# Altium PCB PCB6.PcbDoc (part 1 of 2)
Units mm, origin at the board's own origin, x right, y up, seen from the top; angles counter-clockwise.
Board outline 80 x 125 mm, 4 copper layers (Top Layer, Ground, Power, Bottom Layer), stack 0.603 mm thick; 118 components, 92 nets, 471 pads, 436 vias.
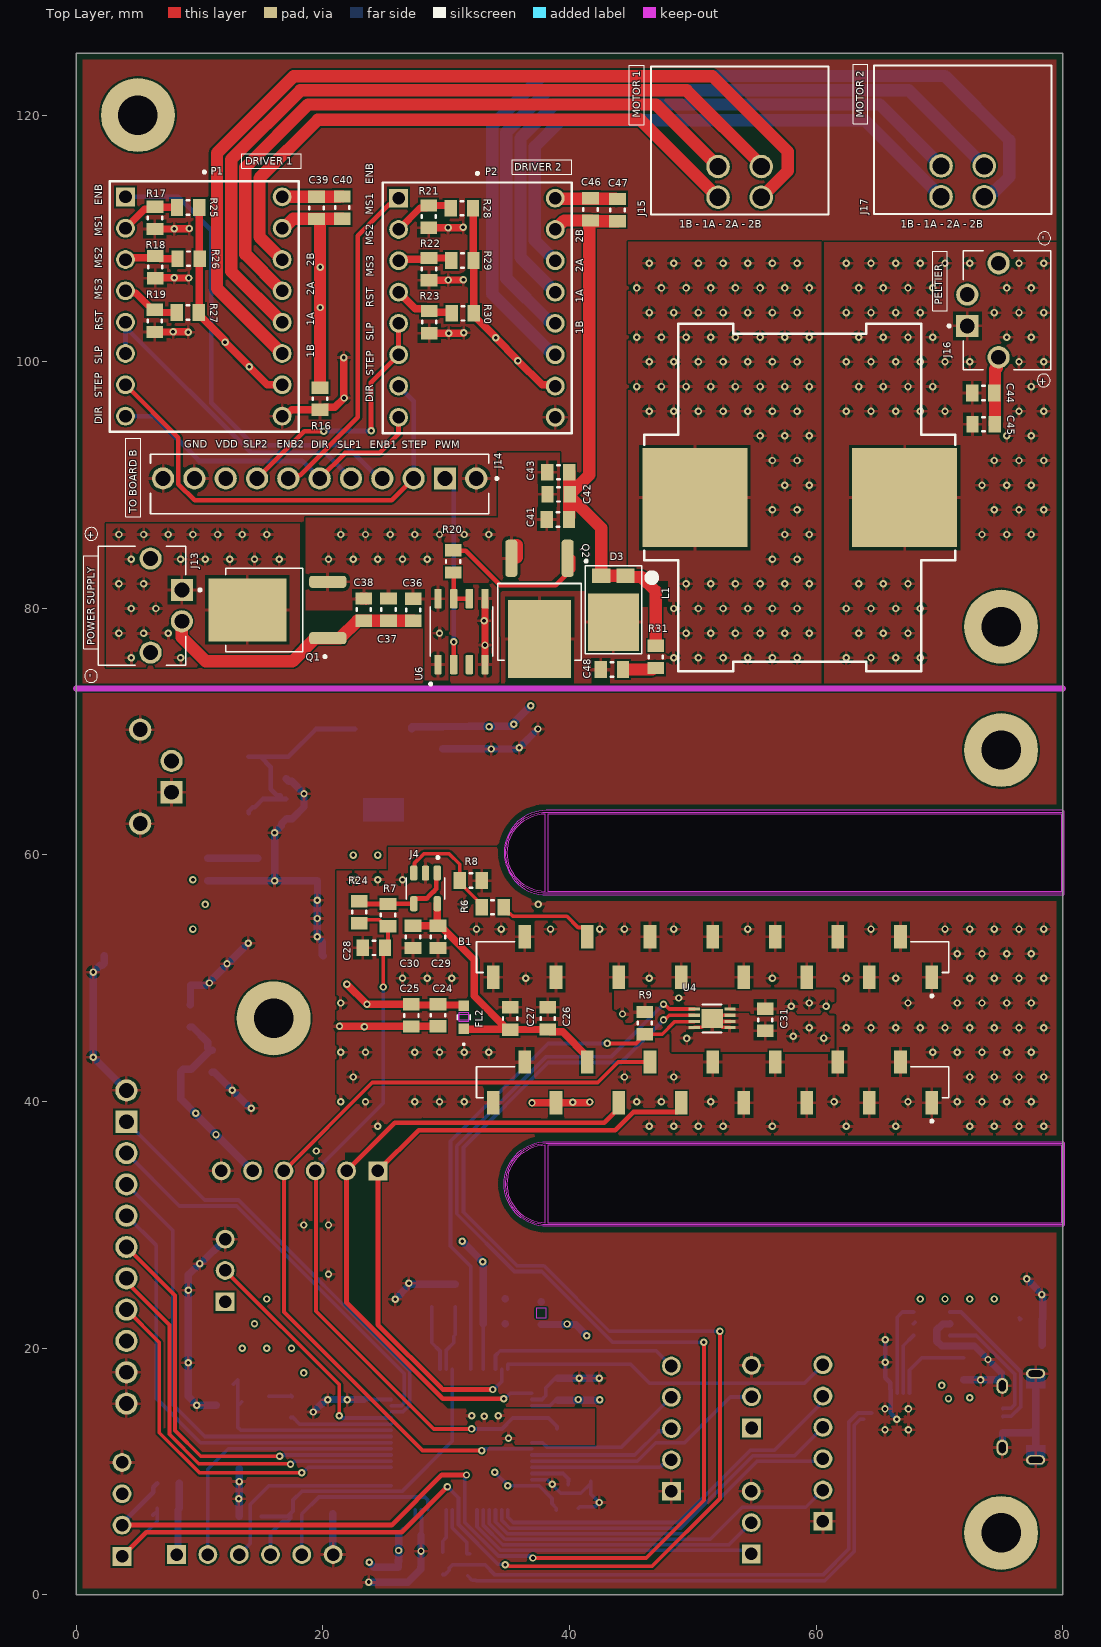
[diagram p0: Top Layer view]
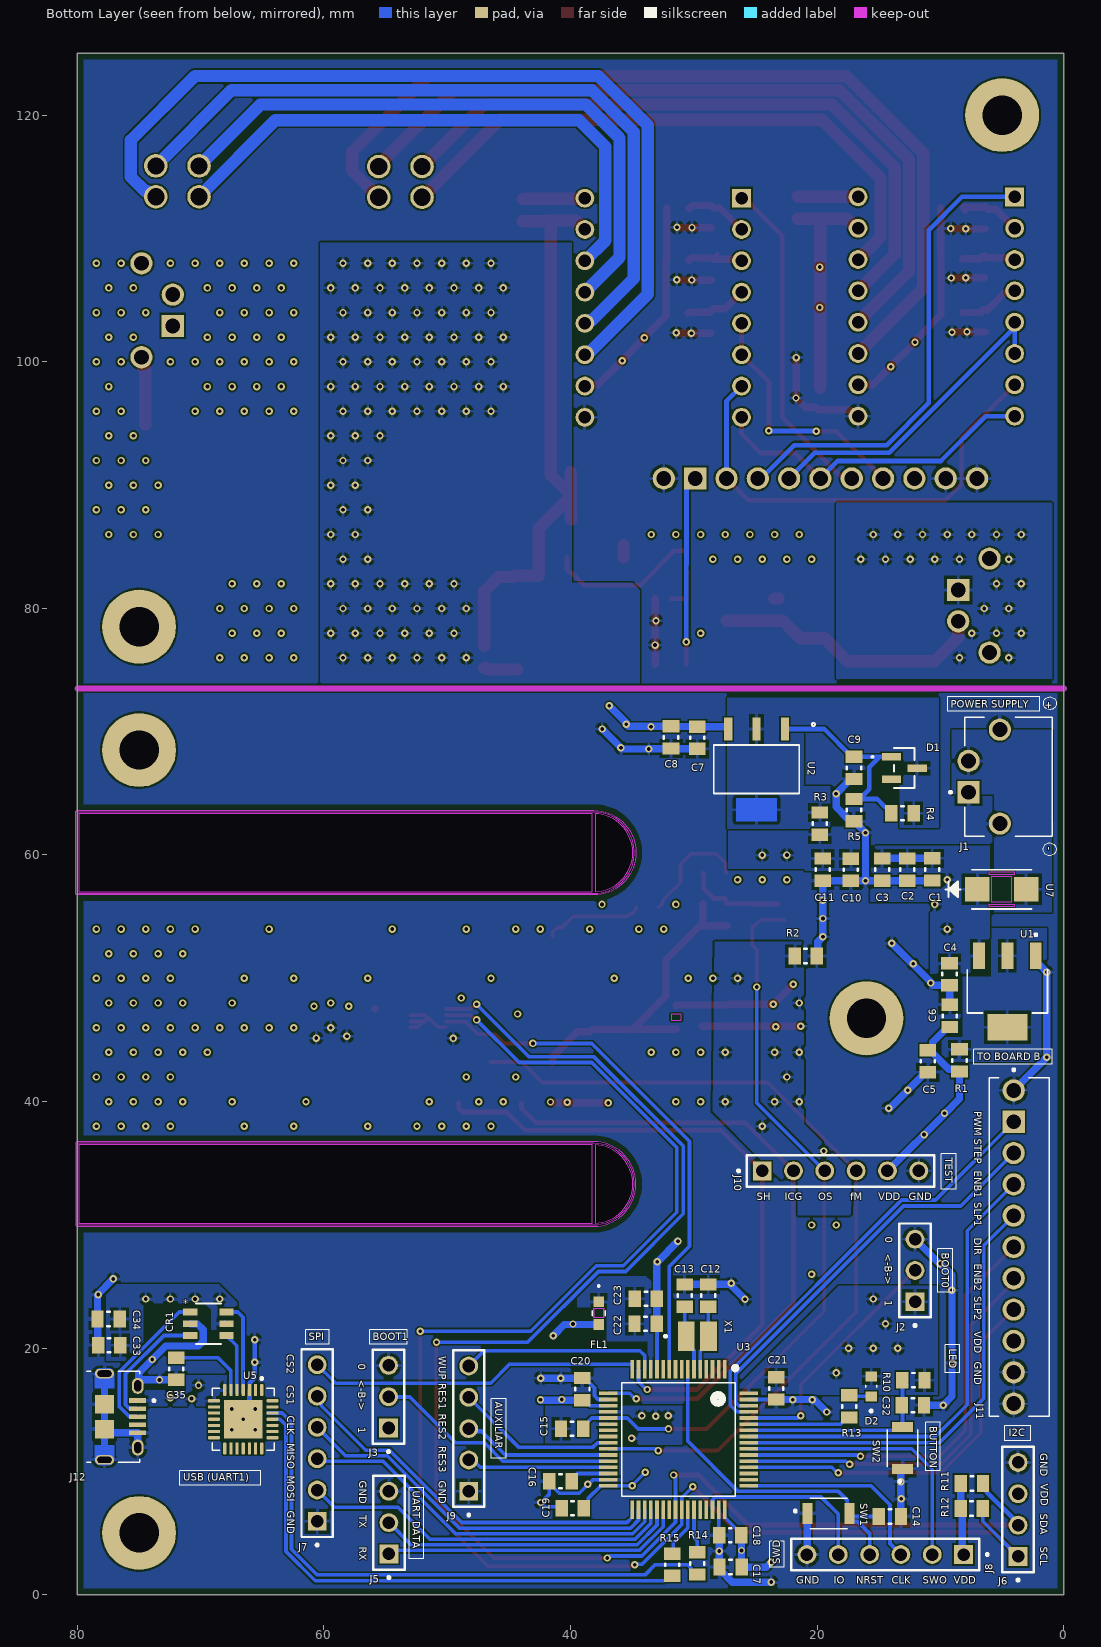
[diagram p1: Bottom Layer view, seen from below]
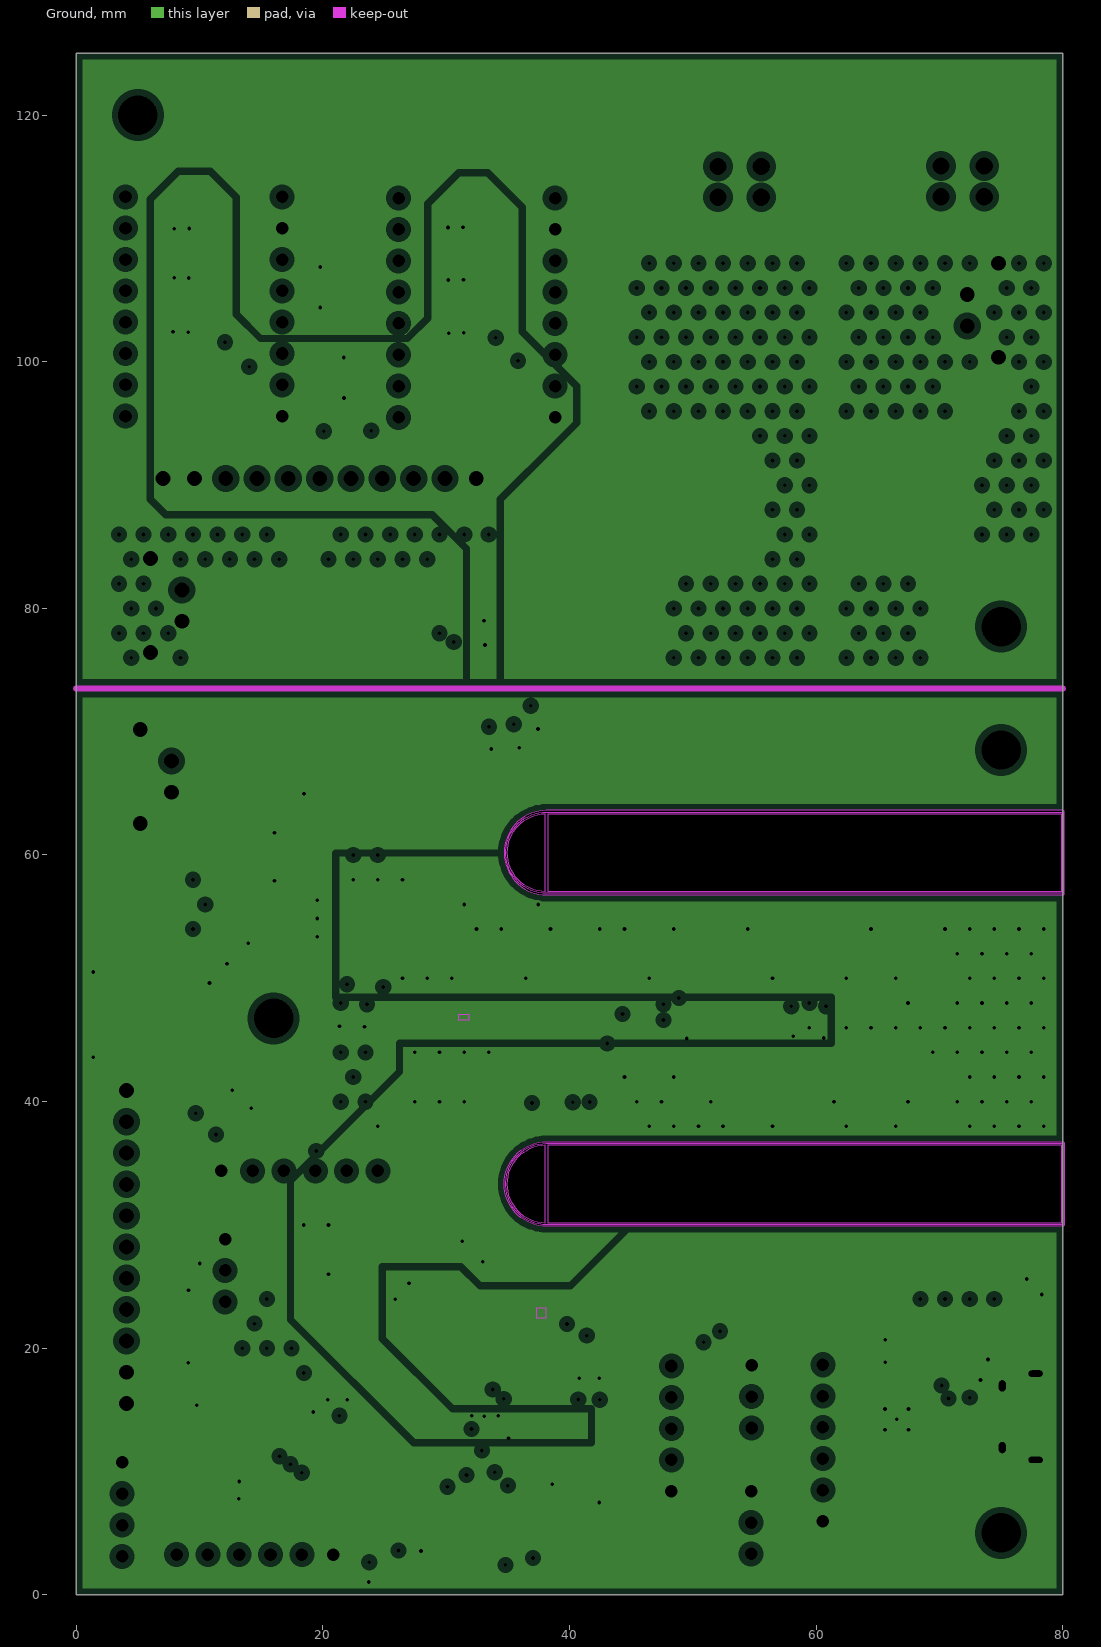
[diagram p2: Ground, clearances drawn from the general rule]
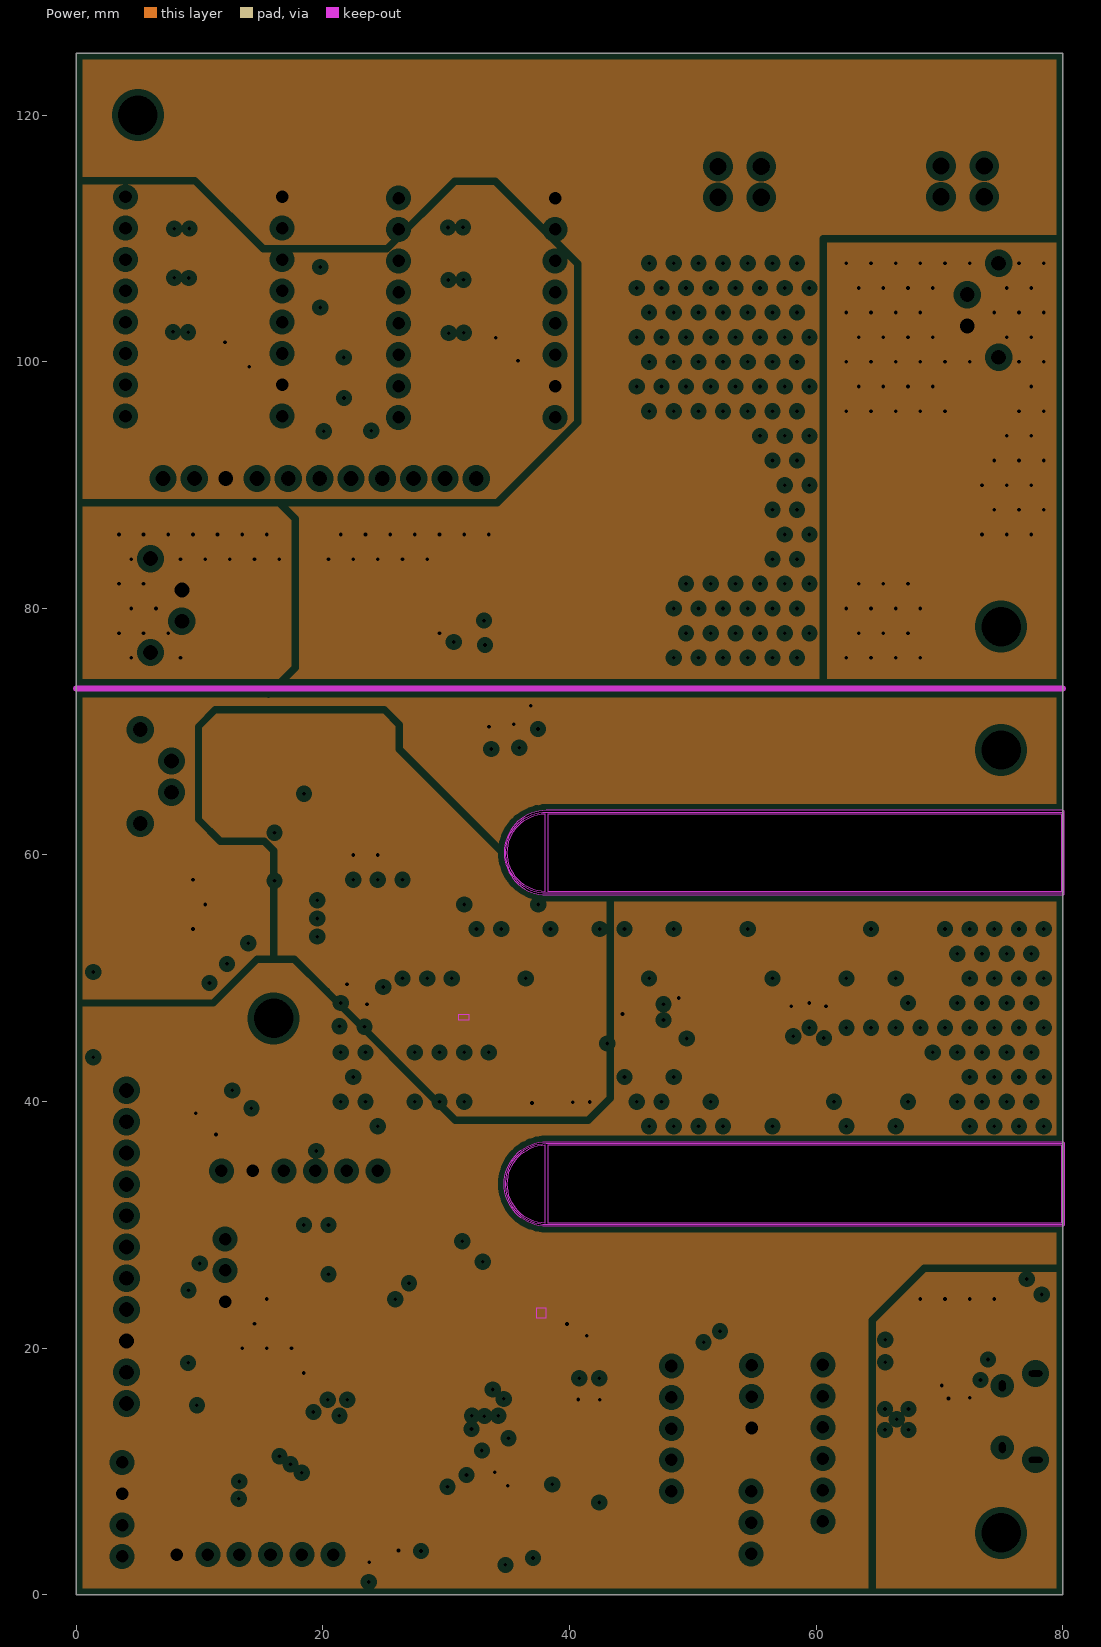
[diagram p3: Power, clearances drawn from the general rule]

## Layer stack, top to bottom
Top Solder: solder mask 0.0102, Solder Resist, Dk 3.5
Top Layer: signal copper 0.0356
Dielectric 2: prepreg 0.0711, PP-006, Dk 4.1
Ground: plane copper 0.035, net (Multiple Nets)
Dielectric 1: dielectric 0.32, FR-4, Dk 4.8
Power: plane copper 0.035, net (Multiple Nets)
Dielectric 3: prepreg 0.0711, PP-006, Dk 4.1
Bottom Layer: signal copper 0.0356
Bottom Solder: solder mask 0.0102, Solder Resist, Dk 3.5

## Board outline
0,0 0,125 80,125 80,0
cut-out: 38.13,29.873 cw(c38.13,33.3) 38.13,36.727 80,36.727 cw(c80,36.6) 80.127,36.6 80.127,30 cw(c80,30) 80,29.873
cut-out: 38.003,30.13 cw(c38.13,33.3) 38.003,36.47
cut-out: 38.13,30 cw(c38.13,33.3) 38.13,36.6 80,36.6 80,30
cut-out: 38.003,57 cw(c38.13,60.17) 38.003,63.34
cut-out: 38.13,56.743 80,56.743 ccw(c80,56.87) 80.127,56.87 80.127,63.47 ccw(c80,63.47) 80,63.597 38.13,63.597 ccw(c38.13,60.17)
cut-out: 38.13,56.87 cw(c38.13,60.17) 38.13,63.47 80,63.47 80,56.87
cut-out: 79.873,30.127 38.257,30.127 38.257,36.473 79.873,36.473
cut-out: 79.873,56.997 38.257,56.997 38.257,63.343 79.873,63.343

## Design rules (kind name [scope] priority, off if disabled: settings)
BoardOutlineClearance [All] p1: gap=0.5 ignorepadtopadclearanceinfootprint=FALSE
Clearance Clearance_Jumper [InComponent('SB*')] p1: gap=0 ignorepadtopadclearanceinfootprint=TRUE
Clearance Clearanse_Temp_Sensor [InComponent('U4')] p2: gap=0.1 ignorepadtopadclearanceinfootprint=FALSE
Clearance Clearance_bridges [All vs InComponent('SB4_MD1') OR InComponent('SB5_MD1') OR InComponent('SB6_MD1') OR InComponent('SB4_MD2') OR InComponent('SB5_MD2') OR InComponent('SB6_MD2')] p3: gap=0.05 ignorepadtopadclearanceinfootprint=FALSE
Clearance [All] p4: gap=0.15 ignorepadtopadclearanceinfootprint=FALSE
PlaneClearance [All] p1: clearance=0.508
PlaneConnect [All] p1: planeconnectstyle=Relief reliefexpansion=0.508 reliefentries=4 reliefconductorwidth=0.254 reliefairgap=0.254
PolygonConnect PolygonConnect_1 [InNet('NetD3_3') OR InNet('NetC34_2') OR InNet('NetQ1_1') OR InNet('VBB2') OR InNet('AGND') OR InNet('GND') OR InNet('VCC') OR InNet('VTCD') OR InNet('VDD') OR InNet('NetR5_1') OR InNet('NetC7_2')] p1 off: connectstyle=Direct reliefconductorwidth=0.254 reliefentries=4 polygonreliefangle="90 Angle" airgapwidth=0.254
PolygonConnect [All] p2: connectstyle=Relief reliefconductorwidth=0.254 reliefentries=4 polygonreliefangle="90 Angle" airgapwidth=0.254
RoutingVias [All] p1: holewidth=0.6 width=1 viastyle="Through Hole" minholewidth=0.3 minwidth=0.5 maxholewidth=0.3 maxwidth=0.6
ShortCircuit ShortCircuit_bridges [All vs InComponent('SB*')] p1: allowed=TRUE
ShortCircuit [All] p2: allowed=FALSE
SolderMaskExpansion [All] p1: expansion=0.102 istentingtop=FALSE
SupplyNets "Schematic Supply Nets_6" [InNet('VUSB')] p1: voltage=0.000
SupplyNets "Schematic Supply Nets_3" [InNet('PGND2')] p2: voltage=0.000
SupplyNets "Schematic Supply Nets_12" [InNet('VDD2')] p3: voltage=0.000
SupplyNets "Schematic Supply Nets_10" [InNet('GND2')] p4: voltage=0.000
SupplyNets "Schematic Supply Nets_9" [InNet('VBB2')] p5: voltage=0.000
SupplyNets "Schematic Supply Nets_8" [InNet('VTCDA')] p6: voltage=0.000
SupplyNets "Schematic Supply Nets_7" [InNet('VDD')] p7: voltage=0.000
SupplyNets "Schematic Supply Nets_5" [InNet('AGND')] p8: voltage=0.000
SupplyNets "Schematic Supply Nets_4" [InNet('GND')] p9: voltage=0.000
SupplyNets "Schematic Supply Nets_2" [InNet('VDDA')] p10: voltage=0.000
SupplyNets "Schematic Supply Nets_1" [InNet('VCC')] p11: voltage=0.000
SupplyNets "Schematic Supply Nets" [InNet('VTCD')] p12: voltage=0.000
Width Width_Power [InNetClass('Power_Class')] p1: maxlimit=0.6 minlimit=0.3 preferedwidth=0.6
Width Width_bridges [InComponent('SB4_MD1') OR InComponent('SB5_MD1') OR InComponent('SB6_MD1') OR InComponent('SB4_MD2') OR InComponent('SB5_MD2') OR InComponent('SB6_MD2')] p2: maxlimit=0.254 minlimit=0.15 preferedwidth=0.2
Width Width_motores [InNet('VBB')] p3: maxlimit=2 minlimit=0.5 preferedwidth=1
Width [All] p4: maxlimit=1 minlimit=0.2 preferedwidth=0.25
27 further rules are at their usual default settings.

## Classes and differential pairs
component class U_Sensor: B1 C24 C25 C26 C27 C28 C29 C30 C31 FL2 J4 R6 R7 R8 R9 R24 U4
component class U_PowerDrivers: C36 C37 C38 C39 C40 C41 C42 C43 C44 C45 C46 C47 C48 D3 J13 J14 J15 J16 J17 L1 P1 P2 Q1 Q2 R16 R17 R18 R19 R20 R21 R22 R23 R25 R26 R27 R28 R29 R30 R31 U6
component class U_Power: C1 C2 C3 C4 C5 C6 C7 C8 C9 C10 C11 D1 J1 R1 R2 R3 R4 R5 U1 U2 U7
component class U_Out: C32 C33 C34 C35 CR1 D2 J5 J6 J7 J8 J9 J10 J11 J12 R10 R11 R12 R13 R14 R15 SW2 U5
component class U_Microcontroller: C12 C13 C14 C15 C16 C17 C18 C19 C20 C21 C22 C23 FL1 J2 J3 SW1 U3 X1

## Components (designator, comment, footprint, x,y, rotation, side; value= is the part's Value field where it differs from the comment)
B1 "TCD1304DG_8Z_AW_" SOCKET-15_SMD-HARWIN_M20-7861546 51.565,46.735 r0 top locked
C1 "4.7uF" RES_0805 10.668,58.812 r90 bottom
C2 "100nF" RES_0805 12.7,58.801 r90 bottom
C3 "100pF" RES_0805 14.732,58.801 r90 bottom
C4 "10uF" RES_0805 9.271,50.317 r90 bottom
C5 "10uF" RES_0805 11.024,43.256 r90 bottom
C6 "100n" RES_0805 9.246,46.939 r270 bottom
C7 "100n" RES_0805 29.718,69.494 r90 bottom
C8 "10uF" RES_0805 31.852,69.52 r90 bottom
C9 "22uF" RES_0805 17.018,67.056 r90 bottom
C10 "10uF" RES_0805 17.272,58.79 r90 bottom
C11 "100n" RES_0805 19.558,58.801 r90 bottom
C12 "10pF" RES_0805 28.829,24.257 r270 bottom
C13 "10pF" RES_0805 30.734,24.257 r270 bottom
C14 "100nF" RES_0805 14.095,6.338 r180 bottom
C15 "100pF not mount" RES_0805 39.878,13.462 r180 bottom
C16 "4.7uF" RES_0805 40.818,9.195 r180 bottom
C17 "4.7uF" RES_0805 27.026,2.235 r0 bottom
C18 "100nF" RES_0805 27.051,4.826 r0 bottom
C19 "100nF" RES_0805 39.827,7.01 r0 bottom
C20 "100nF" RES_0805 39.04,16.662 r90 bottom
C21 "100nF" RES_0805 23.317,16.724 r270 bottom
C22 "4.7uF" RES_0805 33.909,21.971 r180 bottom
C23 "100nF" RES_0805 33.898,24.003 r180 bottom
C24 "100n" RES_0805 29.337,46.99 r90 top
C25 "10uF" RES_0805 27.178,46.979 r270 top
C26 "10uF" RES_0805 38.227,46.736 r90 top
C27 "100nF" RES_0805 35.179,46.725 r90 top
C28 "Cext" RES_0805 24.13,52.451 r0 top
C29 "10uF" RES_0805 29.337,53.34 r270 top
C30 "100nF" RES_0805 27.305,53.34 r270 top
C31 "100n" RES_0805 55.88,46.62 r90 top
C32 "100nF" RES_0805 12.243,15.367 r180 bottom
C33 "1u" RES_0805 77.419,20.218 r180 bottom
C34 "100n" RES_0805 77.47,22.352 r180 bottom
C35 "100n" RES_0805 71.984,18.313 r90 bottom
C36 "4.7uF" RES_0805 27.33,79.872 r90 top
C37 "100nF" RES_0805 25.324,79.883 r90 top
C38 "100pF" RES_0805 23.317,79.883 r90 top
C39 "100u" RES_0805 19.482,112.471 r270 top
C40 "100n" RES_0805 21.565,112.497 r270 top
C41 "10u" RES_0805 39.054,87.198 r180 top
C42 "100u" RES_0805 39.116,89.23 r180 top
C43 "100n" RES_0805 39.091,91.034 r180 top
C44 "47u" RES_0805 73.558,97.46 r180 top
C45 "100n" RES_0805 73.584,94.92 r180 top
C46 "100u" RES_0805 41.707,112.344 r270 top
C47 "100n" RES_0805 43.891,112.293 r270 top
C48 "SNB" RES_0805 43.434,75.032 r180 top
CR1 "USBLC6-4SC6" SOT23-6L_STM-M 69.367,21.971 r180 bottom
D1 "BAS40-7-F" SOT-23_DIO-M 12.929,67.03 r270 bottom
D2 "LED" LEDC1608X35N 15.621,16.888 r90 bottom
D3 "DIODE_FSV15150V" FSV15150V_TO-277 43.555,79.876 r90 top
FL1 "BEAD" IND_1608_TDK-M 37.719,22.835 r270 bottom
FL2 "BEAD" IND_1608_TDK-M 31.42,46.838 r90 top
J1 "Phoenix2H_1706207" PHOENIX_1706207 0.942,61.515 r90 bottom
J2 "PIN_HEADER_3" GEN_PIN3 12.065,26.289 r90 bottom
J3 "PIN_HEADER_3" GEN_PIN3 54.762,16.053 r90 bottom
J4 "OPAMP" SOT95P280X145-5N 28.321,57.277 r270 top
J5 "PIN_HEADER_3" GEN_PIN3 54.737,5.842 r90 bottom
J6 "PIN_HEADER_4" GEN_PIN4 3.708,6.909 r90 bottom
J7 "PIN_HEADER_6" GEN_PIN6 60.554,12.294 r90 bottom
J8 "PIN_HEADER_6" GEN_PIN6 14.478,3.251 r0 bottom
J9 "PIN_HEADER_5" GEN_PIN5 48.26,13.462 r90 bottom
J10 "PIN_HEADER_6" GEN_PIN6 18.11,34.366 r180 bottom
J11 "Phoenix9V_1821465" PHOENIX_1821465 6.034,41.914 r270 bottom
J12 "USB-10118194-0001LF" AMPHENOL_10118194-0001LF 77.8,14.427 r270 bottom
J13 "Phoenix2H_1706207" PHOENIX_1706207 1.78,85.043 r270 top
J14 "Phoenix9V_1821465" PHOENIX_1821465 33.456,92.496 r180 top
J15 "1787014" CONN4_1787014_PXC 55.55,113.324 r180 top
J16 "Phoenix2H_1706207" PHOENIX_1706207 79.043,99.335 r90 top
J17 "1787014" CONN4_1787014_PXC 73.635,113.375 r180 top
L1 "74437529203220" WE-HCF_2920_ROUND 58.674,88.976 r90 top
P1 "2x8_PINES" PINES8x2-sep 10.418,104.826 r270 top locked
P2 "2x8_PINES" PINES8x2-sep 32.567,104.725 r270 top locked
Q1 "AOD417" DPAK228P994X240_3N 16.307,79.858 r90 top
Q2 "AOD417" DPAK228P994X240_3N 37.567,79.961 r180 top
R1 "0" RES_0805 8.458,43.321 r270 bottom
R2 "0" RES_0805 20.93,51.791 r180 bottom
R3 "0" RES_0805 19.787,62.535 r270 bottom
R4 "100" RES_0805 13.081,63.373 r0 bottom
R5 "220" RES_0805 17.018,63.627 r90 bottom
R6 "1k" RES_0805 33.771,55.753 r180 top
R7 "RISO" RES_0805 25.273,55.118 r270 top
R8 "10k" RES_0805 31.993,57.912 r0 top
R9 "10k" RES_0805 46.101,46.355 r90 top
R10 "10k" RES_0805 12.192,17.399 r180 bottom
R11 "10k" RES_0805 7.457,9.017 r0 bottom
R12 "10k" RES_0805 7.468,6.985 r0 bottom
R13 "150" RES_0805 17.399,15.265 r90 bottom
R14 "100" RES_0805 29.718,2.529 r90 bottom
R15 "100" RES_0805 31.75,2.424 r270 bottom
R16 "0" RES_0805 19.761,96.992 r90 top
R17 "10k" RES_0805 6.375,111.658 r90 top
R18 "10k" RES_0805 6.401,107.671 r90 top
R19 "10k" RES_0805 6.35,103.302 r90 top
R20 "10" RES_0805 30.556,83.795 r90 top
R21 "10k" RES_0805 28.575,111.76 r90 top
R22 "10k" RES_0805 28.6,107.507 r90 top
R23 "10k" RES_0805 28.626,103.2 r90 top
R24 "0" RES_0805 22.936,55.347 r270 top
R25 "0" RES_0805 9.068,112.497 r0 top
R26 "0" RES_0805 9.104,108.356 r0 top
R27 "0" RES_0805 9.042,103.988 r0 top
R28 "0" RES_0805 31.278,112.446 r0 top
R29 "0" RES_0805 31.318,108.204 r0 top
R30 "0" RES_0805 31.344,103.911 r0 top
R31 "SNB" RES_0805 46.99,76.048 r270 top
SW1 "RST" SW_B3U-1000P 19.075,6.579 r180 bottom
SW2 "BUTTON" SW_B3U-1000P 13.081,11.889 r90 bottom
U1 "NCV1117ST33T3G" SOT230P700X180-4N 4.572,48.92 r270 bottom
U2 "NCV1117STAT3G" SOT223-3_ONS-M 24.917,66.929 r0 bottom
U3 "STM32F446RCT6TR" QFP50P1200X1200X160-64N 31.242,12.573 r270 bottom
U4 "MCP9808T-E/MC" DFN8_2x3MC_MCH-M 51.565,46.735 r0 top locked
U5 "CP2102-GM" QFN50P500X500X100-29N 66.548,14.224 r270 bottom
U6 "TC4420COA" SOIC127P599X175-8N 31.242,78.105 r90 top
U7 "MBRA340T3G" SMA_ONS 5.029,57.201 r180 bottom
X1 "CRISTAL-8M" XTALDFN320X250X100-2N 29.718,20.955 r180 bottom
